# Altium PCB FX_PCB.PcbDoc (part 3 of 7) (continued)
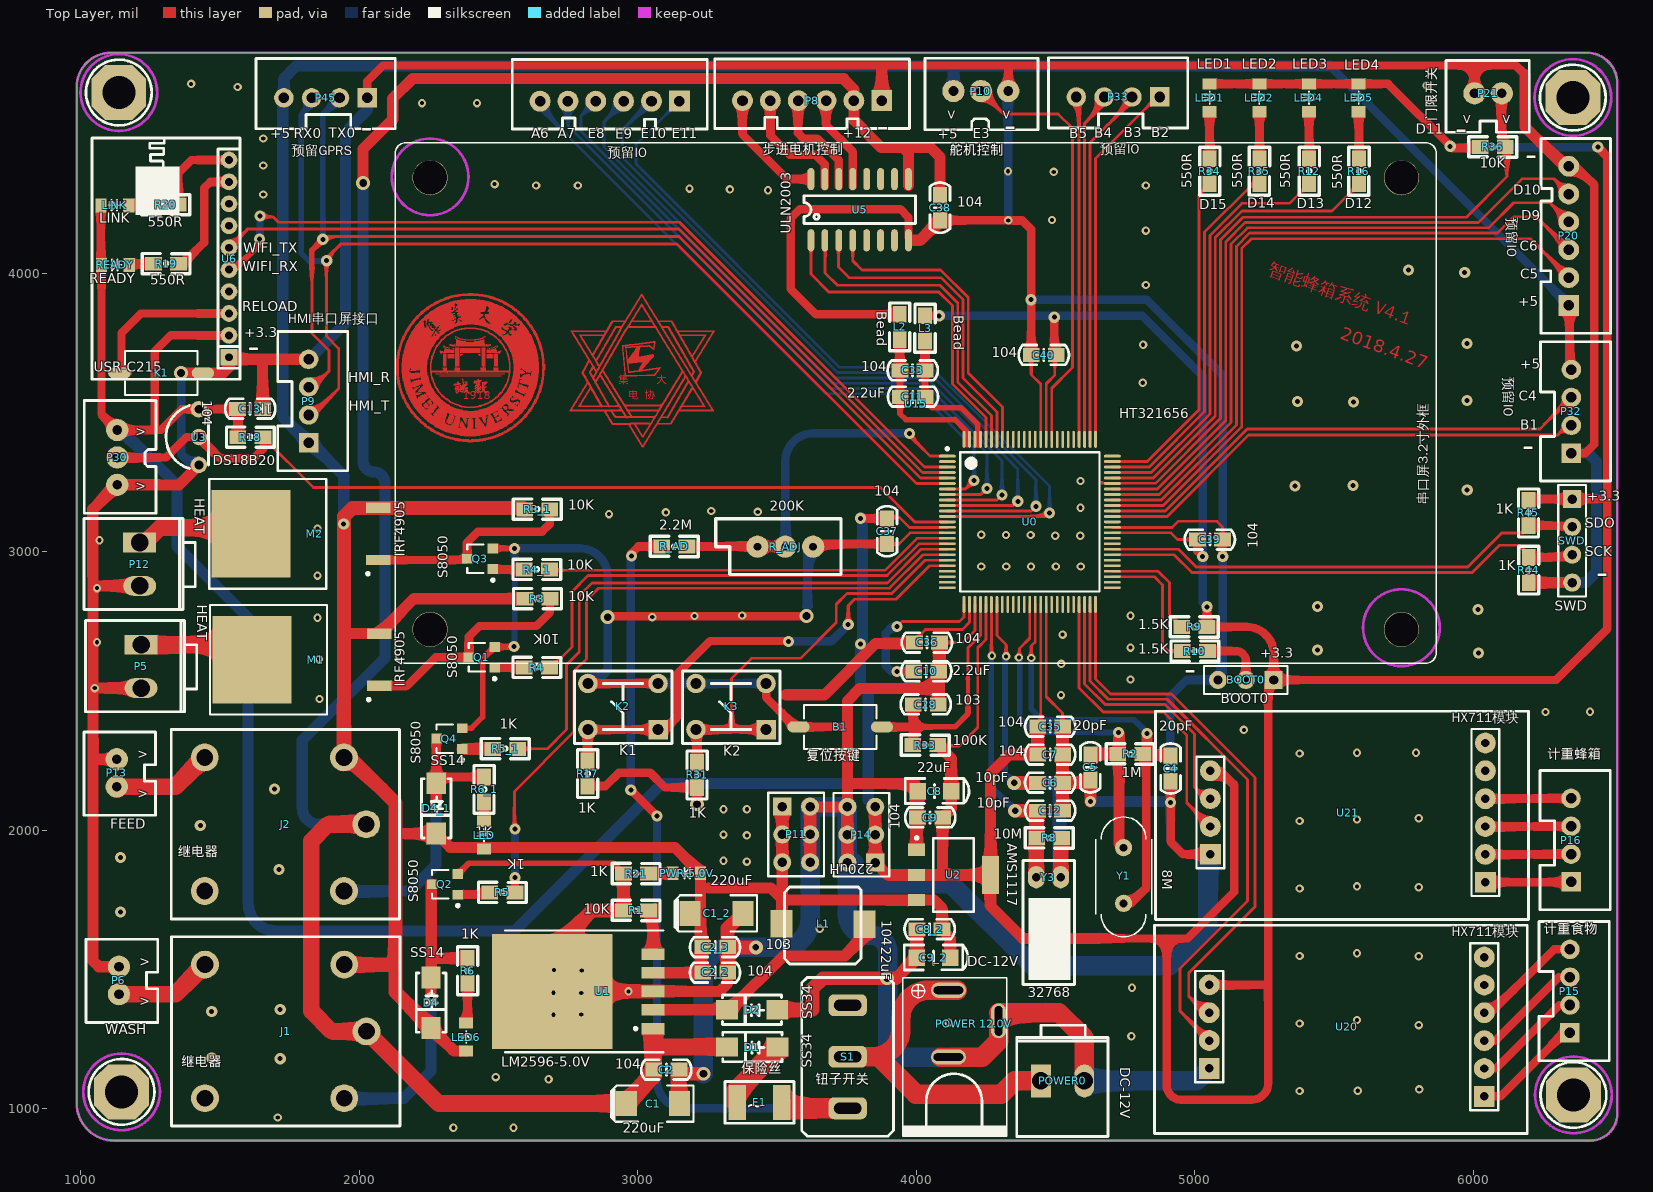
[diagram p0: Top Layer view]
## Nets (pads, with @x,y where several pads share a name; then routed paths per layer and width w, separated by ;. In a path a pad name is that pad's centre, name@x,y a point inside that pad or via, vN(x,y) a via of type N, cw(c..) or ccw(c..) an arc to the next point about the centre after c; other vN are vias at no path point) (continued)
; 2957.1,3725.45 2959.65,3725.45 ; 2957.1,3726.3 2959.65,3726.3 ; 2957.1,3834.25 2961.35,3834.25 ; 2957.95,3481.5 2962.2,3481.5 ; 2957.95,3512.95 2963.05,3512.95 ; 2957.95,3513.8 2963.05,3513.8 ; 2957.95,3633.65 3060.8,3633.65 ; 2957.95,3713.55 2961.35,3713.55 ; 2957.95,3714.4 2960.5,3714.4 ; 2957.95,3715.25 2960.5,3715.25 ; 2957.95,3716.1 2960.5,3716.1 ; 2957.95,3716.95 2960.5,3716.95 ; 2957.95,3717.8 2960.5,3717.8 ; 2957.95,3718.65 2960.5,3718.65 ; 2957.95,3719.5 2960.5,3719.5 ; 2957.95,3835.1 2961.35,3835.1 ; 2957.95,3835.95 2962.2,3835.95 ; 2958.8,3480.65 2961.35,3480.65 ; 2958.8,3512.1 2963.9,3512.1 ; 2958.8,3706.75 2961.35,3706.75 ; 2958.8,3707.6 2961.35,3707.6 ; 2958.8,3708.45 2961.35,3708.45 ; 2958.8,3709.3 2961.35,3709.3 ; 2958.8,3710.15 2961.35,3710.15 ; 2958.8,3711 2961.35,3711 ; 2958.8,3711.85 2961.35,3711.85 ; 2958.8,3712.7 2961.35,3712.7 ; 2958.8,3801.1 2963.05,3801.1 ; 2958.8,3836.8 2963.05,3836.8 ; 2959.65,3510.4 2964.75,3510.4 ; 2959.65,3511.25 2963.9,3511.25 ; 2959.65,3699.1 2963.05,3699.1 ; 2959.65,3699.95 2962.2,3699.95 ; 2959.65,3700.8 2962.2,3700.8 ; 2959.65,3701.65 2962.2,3701.65 ; 2959.65,3702.5 2962.2,3702.5 ; 2959.65,3703.35 2962.2,3703.35 ; 2959.65,3704.2 2962.2,3704.2 ; 2959.65,3705.05 2962.2,3705.05 ; 2959.65,3705.9 2962.2,3705.9 ; 2959.65,3801.95 2963.05,3801.95 ; 2959.65,3802.8 2963.9,3802.8 ; 2959.65,3837.65 2963.05,3837.65 ; 2959.65,3838.5 2963.9,3838.5 ; 2960.5,3507 3077.8,3507 ; 2960.5,3507.85 3078.65,3507.85 ; 2960.5,3508.7 3078.65,3508.7 ; 2960.5,3509.55 3073.55,3509.55 ; 2960.5,3691.45 2963.9,3691.45 ; 2960.5,3692.3 2963.9,3692.3 ; 2960.5,3693.15 2963.05,3693.15 ; 2960.5,3694 2963.05,3694 ; 2960.5,3694.85 2963.05,3694.85 ; 2960.5,3695.7 2963.05,3695.7 ; 2960.5,3696.55 2963.05,3696.55 ; 2960.5,3697.4 2963.05,3697.4 ; 2960.5,3698.25 2963.05,3698.25 ; 2960.5,3736.5 3009.8,3736.5 ; 2960.5,3803.65 2964.75,3803.65 ; 2960.5,3804.5 2964.75,3804.5 ; 2960.5,3839.35 2964.75,3839.35 ; 2961.35,3506.15 3017.45,3506.15 ; 2961.35,3684.65 3040.4,3684.65 ; 2961.35,3685.5 3041.25,3685.5 ; 2961.35,3686.35 3042.1,3686.35 ; 2961.35,3687.2 2965.6,3687.2 ; 2961.35,3688.05 3043.8,3688.05 ; 2961.35,3688.9 2964.75,3688.9 ; 2961.35,3689.75 2964.75,3689.75 ; 2961.35,3690.6 2963.9,3690.6 ; 2961.35,3805.35 2965.6,3805.35 ; 2961.35,3840.2 2964.75,3840.2 ; 2961.35,3841.05 2965.6,3841.05 ; 2962.2,3677.85 2965.6,3677.85 ; 2962.2,3678.7 2981.75,3678.7 ; 2962.2,3679.55 2989.4,3679.55 ; 2962.2,3680.4 2997.9,3680.4 ; 2962.2,3681.25 3006.4,3681.25 ; 2962.2,3682.1 3014.9,3682.1 ; 2962.2,3682.95 3039.55,3682.95 ; 2962.2,3683.8 3039.55,3683.8 ; 2962.2,3806.2 2969,3806.2 ; 2962.2,3807.05 3055.7,3807.05 ; 2962.2,3841.9 2965.6,3841.9 ; 2962.2,3842.75 2966.45,3842.75 ; 2963.05,3505.3 2968.15,3505.3 ; 2963.05,3671.05 2966.45,3671.05 ; 2963.05,3671.9 2965.6,3671.9 ; 2963.05,3672.75 2965.6,3672.75 ; 2963.05,3673.6 2965.6,3673.6 ; 2963.05,3674.45 2965.6,3674.45 ; 2963.05,3675.3 2965.6,3675.3 ; 2963.05,3676.15 2965.6,3676.15 ; 2963.05,3677 2965.6,3677 ; 2963.05,3743.3 2983.45,3743.3 ; 2963.05,3807.9 2969.85,3807.9 ; 2963.05,3808.75 2968.15,3808.75 ; 2963.05,3843.6 2967.3,3843.6 ; 2963.9,3503.6 2969,3503.6 ; 2963.9,3504.45 2968.15,3504.45 ; 2963.9,3664.25 2967.3,3664.25 ; 2963.9,3665.1 2966.45,3665.1 ; 2963.9,3665.95 2966.45,3665.95 ; 2963.9,3666.8 2966.45,3666.8 ; 2963.9,3667.65 2966.45,3667.65 ; 2963.9,3668.5 2966.45,3668.5 ; 2963.9,3669.35 2966.45,3669.35 ; 2963.9,3670.2 2966.45,3670.2 ; 2963.9,3809.6 2968.15,3809.6 ; 2963.9,3810.45 2968.15,3810.45 ; 2963.9,3844.45 2967.3,3844.45 ; 2963.9,3845.3 2968.15,3845.3 ; 2964.75,3501.9 2969.85,3501.9 ; 2964.75,3502.75 2969.85,3502.75 ; 2964.75,3657.45 2968.15,3657.45 ; 2964.75,3658.3 2967.3,3658.3 ; 2964.75,3659.15 2967.3,3659.15 ; 2964.75,3660 2967.3,3660 ; 2964.75,3660.85 2967.3,3660.85 ; 2964.75,3661.7 2967.3,3661.7 ; 2964.75,3662.55 2967.3,3662.55 ; 2964.75,3663.4 2967.3,3663.4 ; 2964.75,3811.3 2969,3811.3 ; 2964.75,3846.15 2969,3846.15 ; 2964.75,3847 2969,3847 ; 2965.6,3501.05 2970.7,3501.05 ; 2965.6,3649.8 2969,3649.8 ; 2965.6,3650.65 2969,3650.65 ; 2965.6,3651.5 2968.15,3651.5 ; 2965.6,3652.35 2968.15,3652.35 ; 2965.6,3653.2 2968.15,3653.2 ; 2965.6,3654.05 2968.15,3654.05 ; 2965.6,3654.9 2968.15,3654.9 ; 2965.6,3655.75 2968.15,3655.75 ; 2965.6,3656.6 2968.15,3656.6 ; 2965.6,3689.75 2967.3,3689.75 ; 2965.6,3691.45 2966.45,3691.45 ; 2965.6,3812.15 2969.85,3812.15 ; 2965.6,3847.85 2969.85,3847.85 ; 2966.45,3457.7 2970.7,3457.7 ; 2966.45,3499.35 2971.55,3499.35 ; 2966.45,3500.2 2971.55,3500.2 ; 2966.45,3643.85 2969.85,3643.85 ; 2966.45,3644.7 2975.8,3644.7 ; 2966.45,3645.55 2981.75,3645.55 ; 2966.45,3646.4 2987.7,3646.4 ; 2966.45,3647.25 2969,3647.25 ; 2966.45,3648.1 2969,3648.1 ; 2966.45,3648.95 2969,3648.95 ; 2966.45,3687.2 3042.95,3687.2 ; 2966.45,3688.9 3045.5,3688.9 ; 2966.45,3813 2969.85,3813 ; 2966.45,3813.85 2970.7,3813.85 ; 2966.45,3848.7 2969.85,3848.7 ; 2966.45,3849.55 2970.7,3849.55 ; 2967.3,3456 2971.55,3456 ; 2967.3,3456.85 2970.7,3456.85 ; 2967.3,3498.5 2972.4,3498.5 ; 2967.3,3677.85 2973.25,3677.85 ; 2967.3,3690.6 3045.5,3690.6 ; 2967.3,3691.45 3046.35,3691.45 ; 2967.3,3692.3 3047.2,3692.3 ; 2967.3,3814.7 2971.55,3814.7 ; 2967.3,3815.55 2971.55,3815.55 ; 2967.3,3850.4 2971.55,3850.4 ; 2968.15,3454.3 2972.4,3454.3 ; 2968.15,3455.15 2972.4,3455.15 ; 2968.15,3496.8 2973.25,3496.8 ; 2968.15,3497.65 2972.4,3497.65 ; 2968.15,3689.75 3045.5,3689.75 ; 2968.15,3693.15 3048.05,3693.15 ; 2968.15,3694 2969,3694 ; 2968.15,3816.4 2972.4,3816.4 ; 2968.15,3851.25 2971.55,3851.25 ; 2968.15,3852.1 2972.4,3852.1 ; 2969,3453.45 2973.25,3453.45 ; 2969,3495.1 2974.1,3495.1 ; 2969,3495.95 2974.1,3495.95 ; 2969,3695.7 2970.7,3695.7 ; 2969,3808.75 3059.95,3808.75 ; 2969,3817.25 2972.4,3817.25 ; 2969,3818.1 2973.25,3818.1 ; 2969,3852.95 2973.25,3852.95 ; 2969,3853.8 2973.25,3853.8 ; 2969.85,3451.75 2974.1,3451.75 ; 2969.85,3452.6 2973.25,3452.6 ; 2969.85,3494.25 2974.95,3494.25 ; 2969.85,3697.4 2970.7,3697.4 ; 2969.85,3744.15 2990.25,3744.15 ; 2969.85,3806.2 3066.75,3806.2 ; 2969.85,3818.95 2974.1,3818.95 ; 2969.85,3819.8 2974.1,3819.8 ; 2969.85,3854.65 2974.1,3854.65 ; 2970.7,3450.9 2974.95,3450.9 ; 2970.7,3492.55 2975.8,3492.55 ; 2970.7,3493.4 2975.8,3493.4 ; 2970.7,3694 3048.9,3694 ; 2970.7,3694.85 3049.75,3694.85 ; 2970.7,3696.55 3051.45,3696.55 ; 2970.7,3698.25 2971.55,3698.25 ; 2970.7,3807.9 3065.9,3807.9 ; 2970.7,3820.65 2974.95,3820.65 ; 2970.7,3855.5 2974.1,3855.5 ; 2970.7,3856.35 2974.95,3856.35 ; 2971.55,3449.2 2975.8,3449.2 ; 2971.55,3450.05 2974.95,3450.05 ; 2971.55,3491.7 2976.65,3491.7 ; 2971.55,3695.7 3050.6,3695.7 ; 2971.55,3697.4 3054,3697.4 ; 2971.55,3821.5 2974.95,3821.5 ; 2971.55,3822.35 2975.8,3822.35 ; 2971.55,3857.2 2975.8,3857.2 ; 2971.55,3858.05 2975.8,3858.05 ; 2972.4,3447.5 2976.65,3447.5 ; 2972.4,3448.35 2976.65,3448.35 ; 2972.4,3490 2977.5,3490 ; 2972.4,3490.85 2976.65,3490.85 ; 2972.4,3698.25 3054.85,3698.25 ; 2972.4,3699.1 2973.25,3699.1 ; 2972.4,3700.8 2973.25,3700.8 ; 2972.4,3823.2 2976.65,3823.2 ; 2972.4,3858.9 2976.65,3858.9 ; 2973.25,3446.65 2977.5,3446.65 ; 2973.25,3488.3 2978.35,3488.3 ; 2973.25,3489.15 2978.35,3489.15 ; 2973.25,3824.05 2976.65,3824.05 ; 2973.25,3824.9 2977.5,3824.9 ; 2973.25,3859.75 2976.65,3859.75 ; 2973.25,3860.6 2977.5,3860.6 ; 2974.1,3444.95 2978.35,3444.95 ; 2974.1,3445.8 2977.5,3445.8 ; 2974.1,3462.8 3041.25,3462.8 ; 2974.1,3487.45 2979.2,3487.45 ; 2974.1,3699.1 3054.85,3699.1 ; 2974.1,3699.95 3002.15,3699.95 ; 2974.1,3825.75 2978.35,3825.75 ; 2974.1,3826.6 2978.35,3826.6 ; 2974.1,3861.45 2978.35,3861.45 ; 2974.1,3862.3 2978.35,3862.3 ; 2974.95,3444.1 2978.35,3444.1 ; 2974.95,3486.6 2980.05,3486.6 ; 2974.95,3647.25 2993.65,3647.25 ; 2974.95,3700.8 3002.15,3700.8 ; 2974.95,3827.45 2979.2,3827.45 ; 2974.95,3863.15 2979.2,3863.15 ; 2975.8,3442.4 2980.05,3442.4 ; 2975.8,3443.25 2979.2,3443.25 ; 2975.8,3701.65 3003,3701.65 ; 2975.8,3702.5 3003,3702.5 ; 2975.8,3703.35 3003,3703.35 ; 2975.8,3737.35 3020.85,3737.35 ; 2975.8,3828.3 2980.9,3828.3 ; 2975.8,3829.15 2980.9,3829.15 ; 2975.8,3864 2979.2,3864 ; 2975.8,3864.85 2980.05,3864.85 ; 2976.65,3440.7 2980.9,3440.7 ; 2976.65,3441.55 2980.05,3441.55 ; 2976.65,3704.2 3003,3704.2 ; 2976.65,3745 2997.05,3745 ; 2976.65,3830 2980.9,3830 ; 2976.65,3830.85 2981.75,3830.85 ; 2976.65,3865.7 2980.9,3865.7 ; 2976.65,3866.55 2980.9,3866.55 ; 2977.5,3439.85 2981.75,3439.85 ; 2977.5,3705.05 3003,3705.05 ; 2977.5,3831.7 2981.75,3831.7 ; 2977.5,3867.4 2981.75,3867.4 ; 2978.35,3438.15 2982.6,3438.15 ; 2978.35,3439 2981.75,3439 ; 2978.35,3705.9 3003,3705.9 ; 2978.35,3706.75 3003,3706.75 ; 2978.35,3707.6 3003,3707.6 ; 2978.35,3832.55 2981.75,3832.55 ; 2978.35,3833.4 2982.6,3833.4 ; 2978.35,3868.25 2981.75,3868.25 ; 2978.35,3869.1 2982.6,3869.1 ; 2979.2,3437.3 2983.45,3437.3 ; 2979.2,3708.45 3003,3708.45 ; 2979.2,3834.25 2983.45,3834.25 ; 2979.2,3835.1 2983.45,3835.1 ; 2979.2,3869.95 2983.45,3869.95 ; 2980.05,3435.6 2984.3,3435.6 ; 2980.05,3436.45 2983.45,3436.45 ; 2980.05,3835.95 2984.3,3835.95 ; 2980.05,3870.8 2983.45,3870.8 ; 2980.05,3871.65 2984.3,3871.65 ; 2980.9,3433.9 2985.15,3433.9 ; 2980.9,3434.75 2984.3,3434.75 ; 2980.9,3648.1 3000.45,3648.1 ; 2980.9,3709.3 3003,3709.3 ; 2980.9,3710.15 3003,3710.15 ; 2980.9,3836.8 2984.3,3836.8 ; 2980.9,3837.65 2985.15,3837.65 ; 2980.9,3872.5 2985.15,3872.5 ; 2980.9,3873.35 2985.15,3873.35 ; 2981.75,3432.2 2986,3432.2 ; 2981.75,3433.05 2986,3433.05 ; 2981.75,3711 3003,3711 ; 2981.75,3711.85 3003,3711.85 ; 2981.75,3712.7 3003,3712.7 ; 2981.75,3828.3 2982.6,3828.3 ; 2981.75,3829.15 3044.65,3829.15 ; 2981.75,3830 3046.35,3830 ; 2981.75,3838.5 2986,3838.5 ; 2981.75,3839.35 2986,3839.35 ; 2981.75,3874.2 2986,3874.2 ; 2982.6,3431.35 2986.85,3431.35 ; 2982.6,3713.55 3003,3713.55 ; 2982.6,3745.85 3003.85,3745.85 ; 2982.6,3840.2 2986.85,3840.2 ; 2982.6,3875.05 2986,3875.05 ; 2982.6,3875.9 2986.85,3875.9 ; 2983.45,3429.65 2987.7,3429.65 ; 2983.45,3430.5 2986.85,3430.5 ; 2983.45,3714.4 3003,3714.4 ; 2983.45,3828.3 3041.25,3828.3 ; 2983.45,3841.05 2987.7,3841.05 ; 2983.45,3841.9 2987.7,3841.9 ; 2983.45,3876.75 2987.7,3876.75 ; 2984.3,3428.8 2988.55,3428.8 ; 2984.3,3715.25 3003.85,3715.25 ; 2984.3,3842.75 2988.55,3842.75 ; 2984.3,3877.6 2987.7,3877.6 ; 2984.3,3878.45 2988.55,3878.45 ; 2985.15,3427.1 2989.4,3427.1 ; 2985.15,3427.95 2988.55,3427.95 ; 2985.15,3716.1 3003.85,3716.1 ; 2985.15,3716.95 3003.85,3716.95 ; 2985.15,3843.6 2988.55,3843.6 ; 2985.15,3844.45 2989.4,3844.45 ; 2985.15,3879.3 2989.4,3879.3 ; 2985.15,3880.15 2989.4,3880.15 ; 2986,3425.4 2990.25,3425.4 ; 2986,3426.25 2989.4,3426.25 ; 2986,3717.8 3003.85,3717.8 ; 2986,3845.3 2990.25,3845.3 ; 2986,3881 2990.25,3881 ; 2986.85,3424.55 2991.1,3424.55 ; 2986.85,3648.95 3009.8,3648.95 ; 2986.85,3718.65 3003.85,3718.65 ; 2986.85,3719.5 3004.7,3719.5 ; 2986.85,3846.15 2990.25,3846.15 ; 2986.85,3847 2991.1,3847 ; 2986.85,3881.85 2990.25,3881.85 ; 2986.85,3882.7 2991.1,3882.7 ; 2987.7,3422.85 2991.95,3422.85 ; 2987.7,3423.7 2991.1,3423.7 ; 2987.7,3458.55 2991.95,3458.55 ; 2987.7,3720.35 3004.7,3720.35 ; 2987.7,3847.85 2991.95,3847.85 ; 2987.7,3848.7 2991.95,3848.7 ; 2987.7,3883.55 2991.95,3883.55 ; 2987.7,3884.4 2991.95,3884.4 ; 2988.55,3421.15 2992.8,3421.15 ; 2988.55,3422 2992.8,3422 ; 2988.55,3456.85 2992.8,3456.85 ; 2988.55,3457.7 2992.8,3457.7 ; 2988.55,3721.2 3004.7,3721.2 ; 2988.55,3722.05 3004.7,3722.05 ; 2988.55,3849.55 2992.8,3849.55 ; 2988.55,3885.25 2992.8,3885.25 ; 2989.4,3420.3 2993.65,3420.3 ; 2989.4,3456 2993.65,3456 ; 2989.4,3722.9 3005.55,3722.9 ; 2989.4,3738.2 3036.15,3738.2 ; 2989.4,3746.7 3010.65,3746.7 ; 2989.4,3850.4 2992.8,3850.4 ; 2989.4,3851.25 2993.65,3851.25 ; 2989.4,3886.1 2992.8,3886.1 ; 2989.4,3886.95 2993.65,3886.95 ; 2990.25,3418.6 2994.5,3418.6 ; 2990.25,3419.45 2993.65,3419.45 ; 2990.25,3454.3 2994.5,3454.3 ; 2990.25,3455.15 2993.65,3455.15 ; 2990.25,3723.75 3005.55,3723.75 ; 2990.25,3724.6 3005.55,3724.6 ; 2990.25,3852.1 2994.5,3852.1 ; 2990.25,3852.95 2994.5,3852.95 ; 2990.25,3887.8 2994.5,3887.8 ; 2990.25,3888.65 2994.5,3888.65 ; 2991.1,3417.75 2995.35,3417.75 ; 2991.1,3453.45 2994.5,3453.45 ; 2991.1,3725.45 3005.55,3725.45 ; 2991.1,3726.3 3006.4,3726.3 ; 2991.1,3853.8 2995.35,3853.8 ; 2991.1,3889.5 2995.35,3889.5 ; 2991.95,3416.05 2996.2,3416.05 ; 2991.95,3416.9 2995.35,3416.9 ; 2991.95,3451.75 2996.2,3451.75 ; 2991.95,3452.6 2995.35,3452.6 ; 2991.95,3727.15 3006.4,3727.15 ; 2991.95,3854.65 2995.35,3854.65 ; 2991.95,3855.5 2996.2,3855.5 ; 2991.95,3890.35 2996.2,3890.35 ; 2991.95,3891.2 2996.2,3891.2 ; 2992.8,3414.35 2997.05,3414.35 ; 2992.8,3415.2 2997.05,3415.2 ; 2992.8,3450.05 2997.05,3450.05 ; 2992.8,3450.9 2996.2,3450.9 ; 2992.8,3649.8 3012.35,3649.8 ; 2992.8,3728 3006.4,3728 ; 2992.8,3728.85 3006.4,3728.85 ; 2992.8,3856.35 2997.05,3856.35 ; 2992.8,3857.2 2997.05,3857.2 ; 2992.8,3892.05 2997.05,3892.05 ; 2992.8,3892.9 2997.05,3892.9 ; 2993.65,3413.5 2997.9,3413.5 ; 2993.65,3449.2 2997.9,3449.2 ; 2993.65,3729.7 3006.4,3729.7 ; 2993.65,3858.05 2997.9,3858.05 ; 2993.65,3893.75 2997.9,3893.75 ; 2994.5,3411.8 2998.75,3411.8 ; 2994.5,3412.65 2997.9,3412.65 ; 2994.5,3447.5 2998.75,3447.5 ; 2994.5,3448.35 2997.9,3448.35 ; 2994.5,3634.5 3061.65,3634.5 ; 2994.5,3730.55 3007.25,3730.55 ; 2994.5,3731.4 3007.25,3731.4 ; 2994.5,3858.9 2998.75,3858.9 ; 2994.5,3859.75 2998.75,3859.75 ; 2994.5,3894.6 2998.75,3894.6 ; 2994.5,3895.45 2998.75,3895.45 ; 2995.35,3410.1 2999.6,3410.1 ; 2995.35,3410.95 2999.6,3410.95 ; 2995.35,3446.65 2998.75,3446.65 ; 2995.35,3732.25 3007.25,3732.25 ; 2995.35,3733.1 3007.25,3733.1 ; 2995.35,3860.6 2999.6,3860.6 ; 2995.35,3896.3 2999.6,3896.3 ; 2996.2,3409.25 3000.45,3409.25 ; 2996.2,3444.95 3000.45,3444.95 ; 2996.2,3445.8 2999.6,3445.8 ; 2996.2,3733.95 3008.95,3733.95 ; 2996.2,3734.8 3008.95,3734.8 ; 2996.2,3735.65 3008.95,3735.65 ; 2996.2,3747.55 3017.45,3747.55 ; 2996.2,3861.45 2999.6,3861.45 ; 2996.2,3862.3 3000.45,3862.3 ; 2996.2,3897.15 2999.6,3897.15 ; 2996.2,3898 3000.45,3898 ; 2997.05,3407.55 3001.3,3407.55 ; 2997.05,3408.4 3000.45,3408.4 ; 2997.05,3443.25 3001.3,3443.25 ; 2997.05,3444.1 3000.45,3444.1 ; 2997.05,3863.15 3001.3,3863.15 ; 2997.05,3864 3001.3,3864 ; 2997.05,3898.85 3000.45,3898.85 ; 2997.9,3406.7 3002.15,3406.7 ; 2997.9,3441.55 3002.15,3441.55 ; 2997.9,3442.4 3002.15,3442.4 ; 2997.9,3864.85 3002.15,3864.85 ; 2997.9,3899.7 3001.3,3899.7 ; 2997.9,3900.55 3002.15,3900.55 ; 2998.75,3405 3003,3405 ; 2998.75,3405.85 3002.15,3405.85 ; 2998.75,3440.7 3003,3440.7 ; 2998.75,3865.7 3003,3865.7 ; 2998.75,3866.55 3003,3866.55 ; 2998.75,3901.4 3002.15,3901.4 ; 2998.75,3902.25 3003,3902.25 ; 2999.6,3403.3 3003.85,3403.3 ; 2999.6,3404.15 3003,3404.15 ; 2999.6,3439 3003.85,3439 ; 2999.6,3439.85 3003,3439.85 ; 2999.6,3650.65 3018.3,3650.65 ; 2999.6,3867.4 3003.85,3867.4 ; 2999.6,3868.25 3003.85,3868.25 ; 2999.6,3903.1 3003.85,3903.1 ; 3000.45,3402.45 3004.7,3402.45 ; 3000.45,3438.15 3004.7,3438.15 ; 3000.45,3869.1 3004.7,3869.1 ; 3000.45,3903.95 3003.85,3903.95 ; 3000.45,3904.8 3004.7,3904.8 ; 3001.3,3400.75 3005.55,3400.75 ; 3001.3,3401.6 3004.7,3401.6 ; 3001.3,3436.45 3005.55,3436.45 ; 3001.3,3437.3 3004.7,3437.3 ; 3001.3,3869.95 3004.7,3869.95 ; 3001.3,3870.8 3005.55,3870.8 ; 3001.3,3905.65 3005.55,3905.65 ; 3001.3,3906.5 3005.55,3906.5 ; 3002.15,3399.05 3006.4,3399.05 ; 3002.15,3399.9 3006.4,3399.9 ; 3002.15,3434.75 3006.4,3434.75 ; 3002.15,3435.6 3005.55,3435.6 ; 3002.15,3651.5 3025.1,3651.5 ; 3002.15,3871.65 3006.4,3871.65 ; 3002.15,3872.5 3006.4,3872.5 ; 3002.15,3907.35 3006.4,3907.35 ; 3003,3398.2 3007.25,3398.2 ; 3003,3433.9 3007.25,3433.9 ; 3003,3653.2 3013.2,3653.2 ; 3003,3699.95 3056.55,3699.95 ; 3003,3748.4 3024.25,3748.4 ; 3003,3873.35 3007.25,3873.35 ; 3003,3908.2 3006.4,3908.2 ; 3003,3909.05 3007.25,3909.05 ; 3003.85,3396.5 3008.1,3396.5 ; 3003.85,3397.35 3007.25,3397.35 ; 3003.85,3432.2 3008.1,3432.2 ; 3003.85,3433.05 3007.25,3433.05 ; 3003.85,3652.35 3031.05,3652.35 ; 3003.85,3654.05 3014.05,3654.05 ; 3003.85,3874.2 3008.1,3874.2 ; 3003.85,3875.05 3008.1,3875.05 ; 3003.85,3909.9 3008.1,3909.9 ; 3003.85,3910.75 3008.1,3910.75 ; 3004.7,3395.65 3008.1,3395.65 ; 3004.7,3430.5 3008.95,3430.5 ; 3004.7,3431.35 3008.95,3431.35 ; 3004.7,3648.1 3009.8,3648.1 ; 3004.7,3655.75 3014.9,3655.75 ; 3004.7,3875.9 3008.95,3875.9 ; 3004.7,3911.6 3008.95,3911.6 ; 3005.55,3393.95 3009.8,3393.95 ; 3005.55,3394.8 3008.95,3394.8 ; 3005.55,3429.65 3009.8,3429.65 ; 3005.55,3647.25 3008.95,3647.25 ; 3005.55,3654.9 3014.9,3654.9 ; 3005.55,3656.6 3015.75,3656.6 ; 3005.55,3657.45 3016.6,3657.45 ; 3005.55,3739.05 3045.5,3739.05 ; 3005.55,3876.75 3008.95,3876.75 ; 3005.55,3877.6 3009.8,3877.6 ; 3005.55,3912.45 3008.95,3912.45 ; 3005.55,3913.3 3009.8,3913.3 ; 3006.4,3392.25 3010.65,3392.25 ; 3006.4,3393.1 3009.8,3393.1 ; 3006.4,3427.95 3010.65,3427.95 ; 3006.4,3428.8 3009.8,3428.8 ; 3006.4,3658.3 3017.45,3658.3 ; 3006.4,3659.15 3018.3,3659.15 ; 3006.4,3878.45 3010.65,3878.45 ; 3006.4,3879.3 3010.65,3879.3 ; 3006.4,3914.15 3010.65,3914.15 ; 3007.25,3391.4 3011.5,3391.4 ; 3007.25,3427.1 3011.5,3427.1 ; 3007.25,3660 3019.15,3660 ; 3007.25,3880.15 3011.5,3880.15 ; 3007.25,3915 3010.65,3915 ; 3007.25,3915.85 3011.5,3915.85 ; 3008.1,3389.7 3012.35,3389.7 ; 3008.1,3390.55 3011.5,3390.55 ; 3008.1,3425.4 3012.35,3425.4 ; 3008.1,3426.25 3011.5,3426.25 ; 3008.1,3660.85 3020,3660.85 ; 3008.1,3661.7 3020.85,3661.7 ; 3008.1,3700.8 3057.4,3700.8 ; 3008.1,3881 3011.5,3881 ; 3008.1,3881.85 3012.35,3881.85 ; 3008.1,3916.7 3012.35,3916.7 ; 3008.1,3917.55 3012.35,3917.55 ; 3008.95,3388 3013.2,3388 ; 3008.95,3388.85 3012.35,3388.85 ; 3008.95,3423.7 3013.2,3423.7 ; 3008.95,3424.55 3012.35,3424.55 ; 3008.95,3662.55 3020.85,3662.55 ; 3008.95,3663.4 3021.7,3663.4 ; 3008.95,3882.7 3013.2,3882.7 ; 3008.95,3918.4 3013.2,3918.4 ; 3009.8,3387.15 3014.05,3387.15 ; 3009.8,3422.85 3014.05,3422.85 ; 3009.8,3664.25 3022.55,3664.25 ; 3009.8,3665.1 3023.4,3665.1 ; 3009.8,3749.25 3031.05,3749.25 ; 3009.8,3883.55 3013.2,3883.55 ; 3009.8,3884.4 3014.05,3884.4 ; 3009.8,3919.25 3013.2,3919.25 ; 3009.8,3920.1 3014.05,3920.1 ; 3010.65,3385.45 3014.9,3385.45 ; 3010.65,3386.3 3014.05,3386.3 ; 3010.65,3421.15 3014.9,3421.15 ; 3010.65,3422 3014.05,3422 ; 3010.65,3665.95 3024.25,3665.95 ; 3010.65,3666.8 3025.1,3666.8 ; 3010.65,3885.25 3018.3,3885.25 ; 3010.65,3886.1 3018.3,3886.1 ; 3010.65,3920.95 3018.3,3920.95 ; 3011.5,3384.6 3015.75,3384.6 ; 3011.5,3420.3 3015.75,3420.3 ; 3011.5,3667.65 3025.95,3667.65 ; 3011.5,3886.95 3017.45,3886.95 ; 3011.5,3921.8 3017.45,3921.8 ; 3011.5,3922.65 3017.45,3922.65 ; 3012.35,3382.9 3016.6,3382.9 ; 3012.35,3383.75 3015.75,3383.75 ; 3012.35,3418.6 3016.6,3418.6 ; 3012.35,3419.45 3015.75,3419.45 ; 3012.35,3668.5 3026.8,3668.5 ; 3012.35,3669.35 3027.65,3669.35 ; 3012.35,3887.8 3016.6,3887.8 ; 3012.35,3888.65 3016.6,3888.65 ; 3012.35,3923.5 3016.6,3923.5 ; 3012.35,3924.35 3015.75,3924.35 ; 3013.2,3381.2 3017.45,3381.2 ; 3013.2,3382.05 3017.45,3382.05 ; 3013.2,3416.9 3017.45,3416.9 ; 3013.2,3417.75 3016.6,3417.75 ; 3013.2,3670.2 3027.65,3670.2 ; 3013.2,3671.05 3028.5,3671.05 ; 3013.2,3701.65 3057.4,3701.65 ; 3013.2,3889.5 3015.75,3889.5 ; 3013.2,3890.35 3014.9,3890.35 ; 3013.2,3925.2 3015.75,3925.2 ; 3014.05,3380.35 3021.7,3380.35 ; 3014.05,3416.05 3021.7,3416.05 ; 3014.05,3671.9 3029.35,3671.9 ; 3014.05,3672.75 3030.2,3672.75 ; 3014.05,3891.2 3014.9,3891.2 ; 3014.05,3926.05 3014.9,3926.05 ; 3014.05,3926.9 3014.9,3926.9 ; 3014.9,3378.65 3020.85,3378.65 ; 3014.9,3379.5 3020.85,3379.5 ; 3014.9,3414.35 3020.85,3414.35 ; 3014.9,3415.2 3021.7,3415.2 ; 3014.9,3673.6 3031.05,3673.6 ; 3014.9,3674.45 3031.9,3674.45 ; 3014.9,3883.55 3019.15,3883.55 ; 3014.9,3884.4 3019.15,3884.4 ; 3014.9,3920.1 3019.15,3920.1 ; 3015.75,3376.95 3020,3376.95 ; 3015.75,3377.8 3020,3377.8 ; 3015.75,3412.65 3020,3412.65 ; 3015.75,3413.5 3020,3413.5 ; 3015.75,3675.3 3032.75,3675.3 ; 3015.75,3882.7 3020,3882.7 ; 3015.75,3918.4 3020,3918.4 ; 3015.75,3919.25 3019.15,3919.25 ; 3016.6,3376.1 3019.15,3376.1 ; 3016.6,3510.4 3072.7,3510.4 ; 3016.6,3676.15 3033.6,3676.15 ; 3016.6,3677 3033.6,3677 ; 3016.6,3750.1 3037,3750.1 ; 3016.6,3881 3020.85,3881 ; 3016.6,3881.85 3020,3881.85 ; 3016.6,3916.7 3020.85,3916.7 ; 3016.6,3917.55 3020,3917.55 ; 3017.45,3374.4 3018.3,3374.4 ; 3017.45,3375.25 3018.3,3375.25 ; 3017.45,3677.85 3034.45,3677.85 ; 3017.45,3678.7 3035.3,3678.7 ; 3017.45,3702.5 3057.4,3702.5 ; 3017.45,3880.15 3021.7,3880.15 ; 3017.45,3915 3021.7,3915 ; 3017.45,3915.85 3021.7,3915.85 ; 3018.3,3381.2 3022.55,3381.2 ; 3018.3,3416.9 3022.55,3416.9 ; 3018.3,3653.2 3037,3653.2 ; 3018.3,3679.55 3036.15,3679.55 ; 3018.3,3680.4 3037,3680.4 ; 3018.3,3878.45 3022.55,3878.45 ; 3018.3,3879.3 3021.7,3879.3 ; 3018.3,3914.15 3022.55,3914.15 ; 3019.15,3382.05 3022.55,3382.05 ; 3019.15,3382.9 3023.4,3382.9 ; 3019.15,3417.75 3022.55,3417.75 ; 3019.15,3418.6 3023.4,3418.6 ; 3019.15,3681.25 3037.85,3681.25 ; 3019.15,3682.1 3038.7,3682.1 ; 3019.15,3876.75 3023.4,3876.75 ; 3019.15,3877.6 3023.4,3877.6 ; 3019.15,3912.45 3023.4,3912.45 ; 3019.15,3913.3 3023.4,3913.3 ; 3020,3383.75 3024.25,3383.75 ; 3020,3419.45 3024.25,3419.45 ; 3020,3875.9 3024.25,3875.9 ; 3020,3911.6 3024.25,3911.6 ; 3020.85,3384.6 3024.25,3384.6 ; 3020.85,3385.45 3025.1,3385.45 ; 3020.85,3420.3 3024.25,3420.3 ; 3020.85,3421.15 3025.1,3421.15 ; 3020.85,3739.9 3044.65,3739.9 ; 3020.85,3874.2 3025.1,3874.2 ; 3020.85,3875.05 3025.1,3875.05 ; 3020.85,3909.9 3025.1,3909.9 ; 3020.85,3910.75 3024.25,3910.75 ; 3021.7,3386.3 3025.1,3386.3 ; 3021.7,3387.15 3025.95,3387.15 ; 3021.7,3422 3025.95,3422 ; 3021.7,3872.5 3025.95,3872.5 ; 3021.7,3873.35 3025.95,3873.35 ; 3021.7,3909.05 3025.95,3909.05 ; 3022.55,3388 3026.8,3388 ; 3022.55,3422.85 3025.95,3422.85 ; 3022.55,3423.7 3026.8,3423.7 ; 3022.55,3703.35 3057.4,3703.35 ; 3022.55,3871.65 3026.8,3871.65 ; 3022.55,3907.35 3026.8,3907.35 ; 3022.55,3908.2 3025.95,3908.2 ; 3023.4,3388.85 3026.8,3388.85 ; 3023.4,3389.7 3027.65,3389.7 ; 3023.4,3424.55 3026.8,3424.55 ; 3023.4,3425.4 3027.65,3425.4 ; 3023.4,3654.05 3042.95,3654.05 ; 3023.4,3750.95 3043.8,3750.95 ; 3023.4,3869.95 3027.65,3869.95 ; 3023.4,3870.8 3027.65,3870.8 ; 3023.4,3905.65 3027.65,3905.65 ; 3023.4,3906.5 3026.8,3906.5 ; 3024.25,3390.55 3028.5,3390.55 ; 3024.25,3391.4 3028.5,3391.4 ; 3024.25,3426.25 3028.5,3426.25 ; 3024.25,3869.1 3028.5,3869.1 ; 3024.25,3904.8 3028.5,3904.8 ; 3025.1,3392.25 3029.35,3392.25 ; 3025.1,3427.1 3028.5,3427.1 ; 3025.1,3427.95 3029.35,3427.95 ; 3025.1,3867.4 3029.35,3867.4 ; 3025.1,3868.25 3028.5,3868.25 ; 3025.1,3903.1 3029.35,3903.1 ; 3025.1,3903.95 3028.5,3903.95 ; 3025.95,3393.1 3029.35,3393.1 ; 3025.95,3393.95 3030.2,3393.95 ; 3025.95,3428.8 3029.35,3428.8 ; 3025.95,3865.7 3030.2,3865.7 ; 3025.95,3866.55 3030.2,3866.55 ; 3025.95,3901.4 3030.2,3901.4 ; 3025.95,3902.25 3030.2,3902.25 ; 3026.8,3394.8 3031.05,3394.8 ; 3026.8,3429.65 3030.2,3429.65 ; 3026.8,3430.5 3031.05,3430.5 ; 3026.8,3864.85 3031.05,3864.85 ; 3026.8,3900.55 3031.05,3900.55 ; 3027.65,3395.65 3031.05,3395.65 ; 3027.65,3396.5 3031.9,3396.5 ; 3027.65,3431.35 3031.05,3431.35 ; 3027.65,3432.2 3031.9,3432.2 ; 3027.65,3704.2 3057.4,3704.2 ; 3027.65,3863.15 3031.9,3863.15 ; 3027.65,3864 3031.05,3864 ; 3027.65,3898.85 3031.9,3898.85 ; 3027.65,3899.7 3031.05,3899.7 ; 3028.5,3397.35 3031.9,3397.35 ; 3028.5,3398.2 3032.75,3398.2 ; 3028.5,3433.05 3032.75,3433.05 ; 3028.5,3433.9 3032.75,3433.9 ; 3028.5,3861.45 3032.75,3861.45 ; 3028.5,3862.3 3032.75,3862.3 ; 3028.5,3897.15 3032.75,3897.15 ; 3028.5,3898 3032.75,3898 ; 3029.35,3399.05 3033.6,3399.05 ; 3029.35,3434.75 3033.6,3434.75 ; 3029.35,3751.8 3050.6,3751.8 ; 3029.35,3860.6 3033.6,3860.6 ; 3029.35,3896.3 3033.6,3896.3 ; 3030.2,3399.9 3033.6,3399.9 ; 3030.2,3400.75 3034.45,3400.75 ; 3030.2,3435.6 3033.6,3435.6 ; 3030.2,3436.45 3034.45,3436.45 ; 3030.2,3654.9 3049.75,3654.9 ; 3030.2,3858.9 3034.45,3858.9 ; 3030.2,3859.75 3034.45,3859.75 ; 3030.2,3894.6 3034.45,3894.6 ; 3030.2,3895.45 3033.6,3895.45 ; 3031.05,3401.6 3035.3,3401.6 ; 3031.05,3402.45 3035.3,3402.45 ; 3031.05,3437.3 3035.3,3437.3 ; 3031.05,3858.05 3035.3,3858.05 ; 3031.05,3892.9 3035.3,3892.9 ; 3031.05,3893.75 3035.3,3893.75 ; 3031.9,3403.3 3036.15,3403.3 ; 3031.9,3438.15 3035.3,3438.15 ; 3031.9,3439 3036.15,3439 ; 3031.9,3635.35 3062.5,3635.35 ; 3031.9,3856.35 3036.15,3856.35 ; 3031.9,3857.2 3035.3,3857.2 ; 3031.9,3892.05 3036.15,3892.05 ; 3032.75,3404.15 3036.15,3404.15 ; 3032.75,3405 3037,3405 ; 3032.75,3439.85 3036.15,3439.85 ; 3032.75,3440.7 3037,3440.7 ; 3032.75,3705.05 3057.4,3705.05 ; 3032.75,3854.65 3037,3854.65 ; 3032.75,3855.5 3037,3855.5 ; 3032.75,3890.35 3037,3890.35 ; 3032.75,3891.2 3036.15,3891.2 ; 3033.6,3405.85 3037.85,3405.85 ; 3033.6,3441.55 3037.85,3441.55 ; 3033.6,3853.8 3037.85,3853.8 ; 3033.6,3889.5 3037.85,3889.5 ; 3034.45,3406.7 3037.85,3406.7 ; 3034.45,3407.55 3038.7,3407.55 ; 3034.45,3442.4 3037.85,3442.4 ; 3034.45,3443.25 3038.7,3443.25 ; 3034.45,3852.1 3038.7,3852.1 ; 3034.45,3852.95 3037.85,3852.95 ; 3034.45,3887.8 3038.7,3887.8 ; 3034.45,3888.65 3037.85,3888.65 ; 3035.3,3408.4 3038.7,3408.4 ; 3035.3,3409.25 3039.55,3409.25 ; 3035.3,3444.1 3039.55,3444.1 ; 3035.3,3851.25 3039.55,3851.25 ; 3035.3,3886.1 3039.55,3886.1 ; 3035.3,3886.95 3039.55,3886.95 ; 3036.15,3410.1 3040.4,3410.1 ; 3036.15,3444.95 3039.55,3444.95 ; 3036.15,3445.8 3040.4,3445.8 ; 3036.15,3655.75 3054.85,3655.75 ; 3036.15,3740.75 3042.95,3740.75 ; 3036.15,3849.55 3040.4,3849.55 ; 3036.15,3850.4 3039.55,3850.4 ; 3036.15,3885.25 3040.4,3885.25 ; 3037,3410.95 3040.4,3410.95 ; 3037,3411.8 3041.25,3411.8 ; 3037,3446.65 3040.4,3446.65 ; 3037,3447.5 3041.25,3447.5 ; 3037,3705.9 3056.55,3705.9 ; 3037,3752.65 3057.4,3752.65 ; 3037,3847.85 3041.25,3847.85 ; 3037,3848.7 3041.25,3848.7 ; 3037,3883.55 3041.25,3883.55 ; 3037,3884.4 3040.4,3884.4 ; 3037.85,3412.65 3041.25,3412.65 ; 3037.85,3448.35 3042.1,3448.35 ; 3037.85,3847 3042.1,3847 ; 3037.85,3882.7 3042.1,3882.7 ; 3038.7,3413.5 3042.1,3413.5 ; 3038.7,3414.35 3042.95,3414.35 ; 3038.7,3449.2 3042.1,3449.2 ; 3038.7,3450.05 3042.95,3450.05 ; 3038.7,3845.3 3042.95,3845.3 ; 3038.7,3846.15 3042.1,3846.15 ; 3038.7,3881 3042.95,3881 ; 3038.7,3881.85 3042.1,3881.85 ; 3039.55,3415.2 3042.95,3415.2 ; 3039.55,3416.05 3043.8,3416.05 ; 3039.55,3450.9 3043.8,3450.9 ; 3039.55,3451.75 3043.8,3451.75 ; 3039.55,3843.6 3043.8,3843.6 ; 3039.55,3844.45 3043.8,3844.45 ; 3039.55,3879.3 3043.8,3879.3 ; 3039.55,3880.15 3043.8,3880.15 ; 3040.4,3416.9 3044.65,3416.9 ; 3040.4,3452.6 3044.65,3452.6 ; 3040.4,3842.75 3044.65,3842.75 ; 3040.4,3878.45 3044.65,3878.45 ; 3041.25,3417.75 3044.65,3417.75 ; 3041.25,3418.6 3045.5,3418.6 ; 3041.25,3453.45 3044.65,3453.45 ; 3041.25,3454.3 3045.5,3454.3 ; 3041.25,3841.05 3045.5,3841.05 ; 3041.25,3841.9 3044.65,3841.9 ; 3041.25,3876.75 3045.5,3876.75 ; 3041.25,3877.6 3044.65,3877.6 ; 3042.1,3419.45 3045.5,3419.45 ; 3042.1,3420.3 3046.35,3420.3 ; 3042.1,3455.15 3046.35,3455.15 ; 3042.1,3456 3046.35,3456 ; 3042.1,3656.6 3061.65,3656.6 ; 3042.1,3706.75 3056.55,3706.75 ; 3042.1,3738.2 3046.35,3738.2 ; 3042.1,3828.3 3047.2,3828.3 ; 3042.1,3839.35 3046.35,3839.35 ; 3042.1,3840.2 3046.35,3840.2 ; 3042.1,3875.05 3046.35,3875.05 ; 3042.1,3875.9 3046.35,3875.9 ; 3042.95,3421.15 3047.2,3421.15 ; 3042.95,3456.85 3047.2,3456.85 ; 3042.95,3737.35 3048.05,3737.35 ; 3042.95,3838.5 3047.2,3838.5 ; 3042.95,3874.2 3047.2,3874.2 ; 3043.8,3422 3047.2,3422 ; 3043.8,3422.85 3048.05,3422.85 ; 3043.8,3457.7 3047.2,3457.7 ; 3043.8,3458.55 3048.05,3458.55 ; 3043.8,3753.5 3062.5,3753.5 ; 3043.8,3836.8 3048.05,3836.8 ; 3043.8,3837.65 3048.05,3837.65 ; 3043.8,3872.5 3048.05,3872.5 ; 3043.8,3873.35 3047.2,3873.35 ; 3044.65,3423.7 3048.9,3423.7 ; 3044.65,3424.55 3048.9,3424.55 ; 3044.65,3459.4 3048.05,3459.4 ; 3044.65,3460.25 3048.9,3460.25 ; 3044.65,3461.95 3049.75,3461.95 ; 3044.65,3736.5 3048.9,3736.5 ; 3044.65,3835.1 3048.9,3835.1 ; 3044.65,3835.95 3048.9,3835.95 ; 3044.65,3870.8 3048.9,3870.8 ; 3044.65,3871.65 3048.9,3871.65 ; 3045.5,3425.4 3049.75,3425.4 ; 3045.5,3735.65 3050.6,3735.65 ; 3045.5,3829.15 3053.15,3829.15 ; 3045.5,3834.25 3049.75,3834.25 ; 3045.5,3869.95 3049.75,3869.95 ; 3046.35,3426.25 3049.75,3426.25